# Altium PCB APB.PcbDoc (part 1 of 3)
Units mm, origin at the board's own origin, x right, y up, seen from the top; angles counter-clockwise.
Board outline 70 x 120 mm, 4 copper layers (Top Layer, Internal Plane 1, Internal Plane 2, Bottom Layer); 191 components, 179 nets, 920 pads, 302 vias.
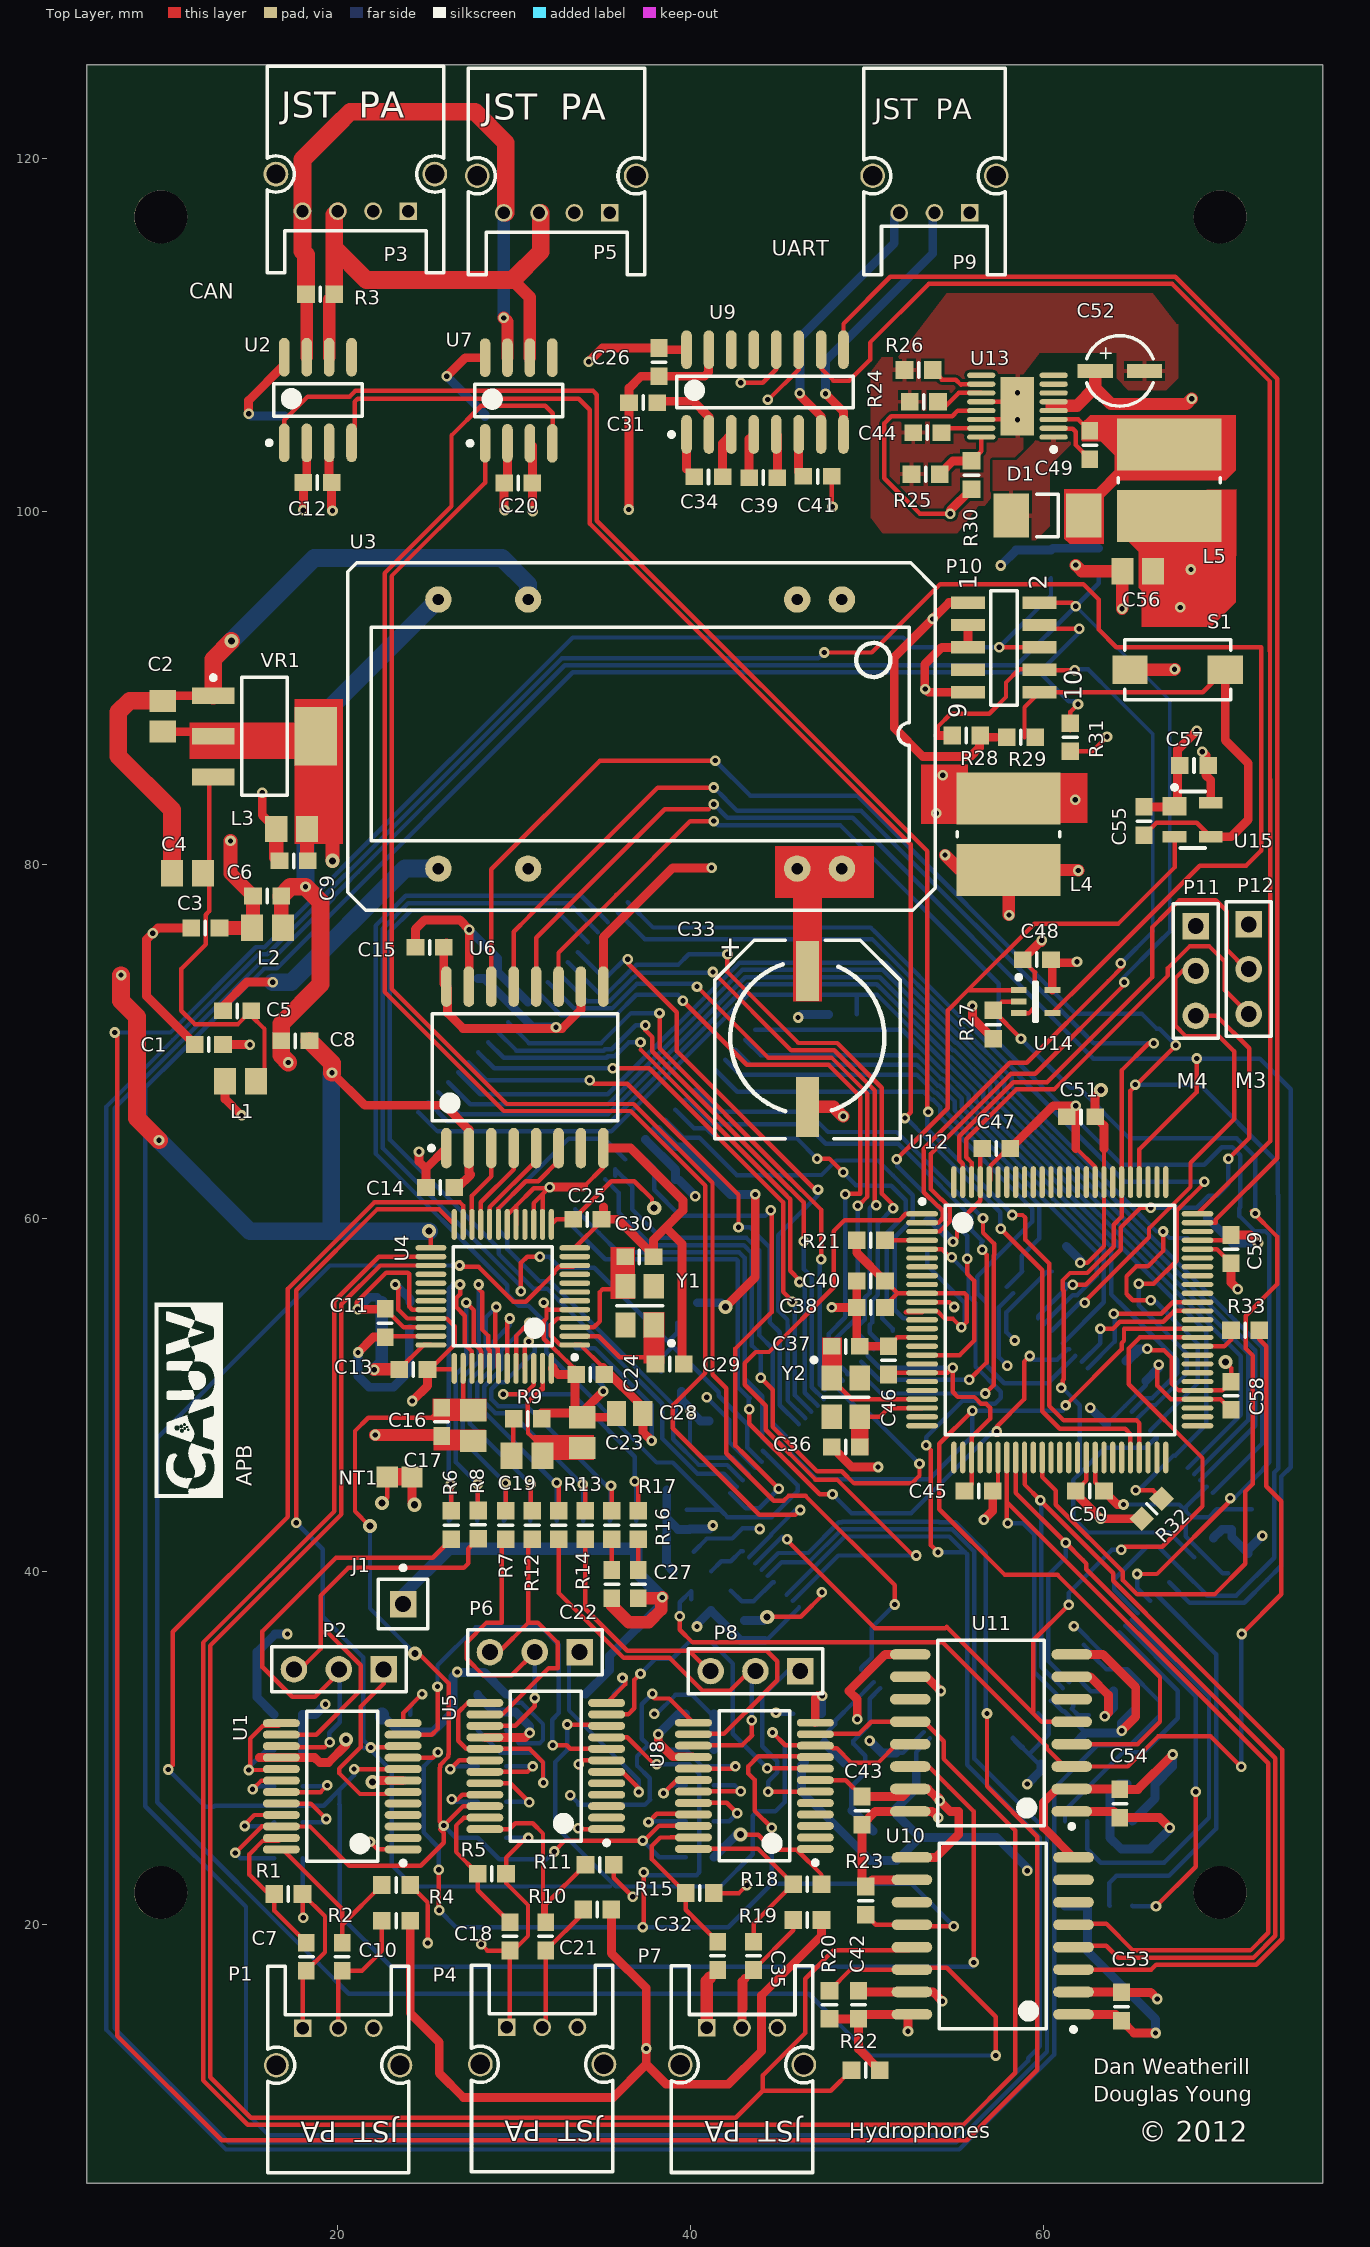
[diagram p0: Top Layer view]
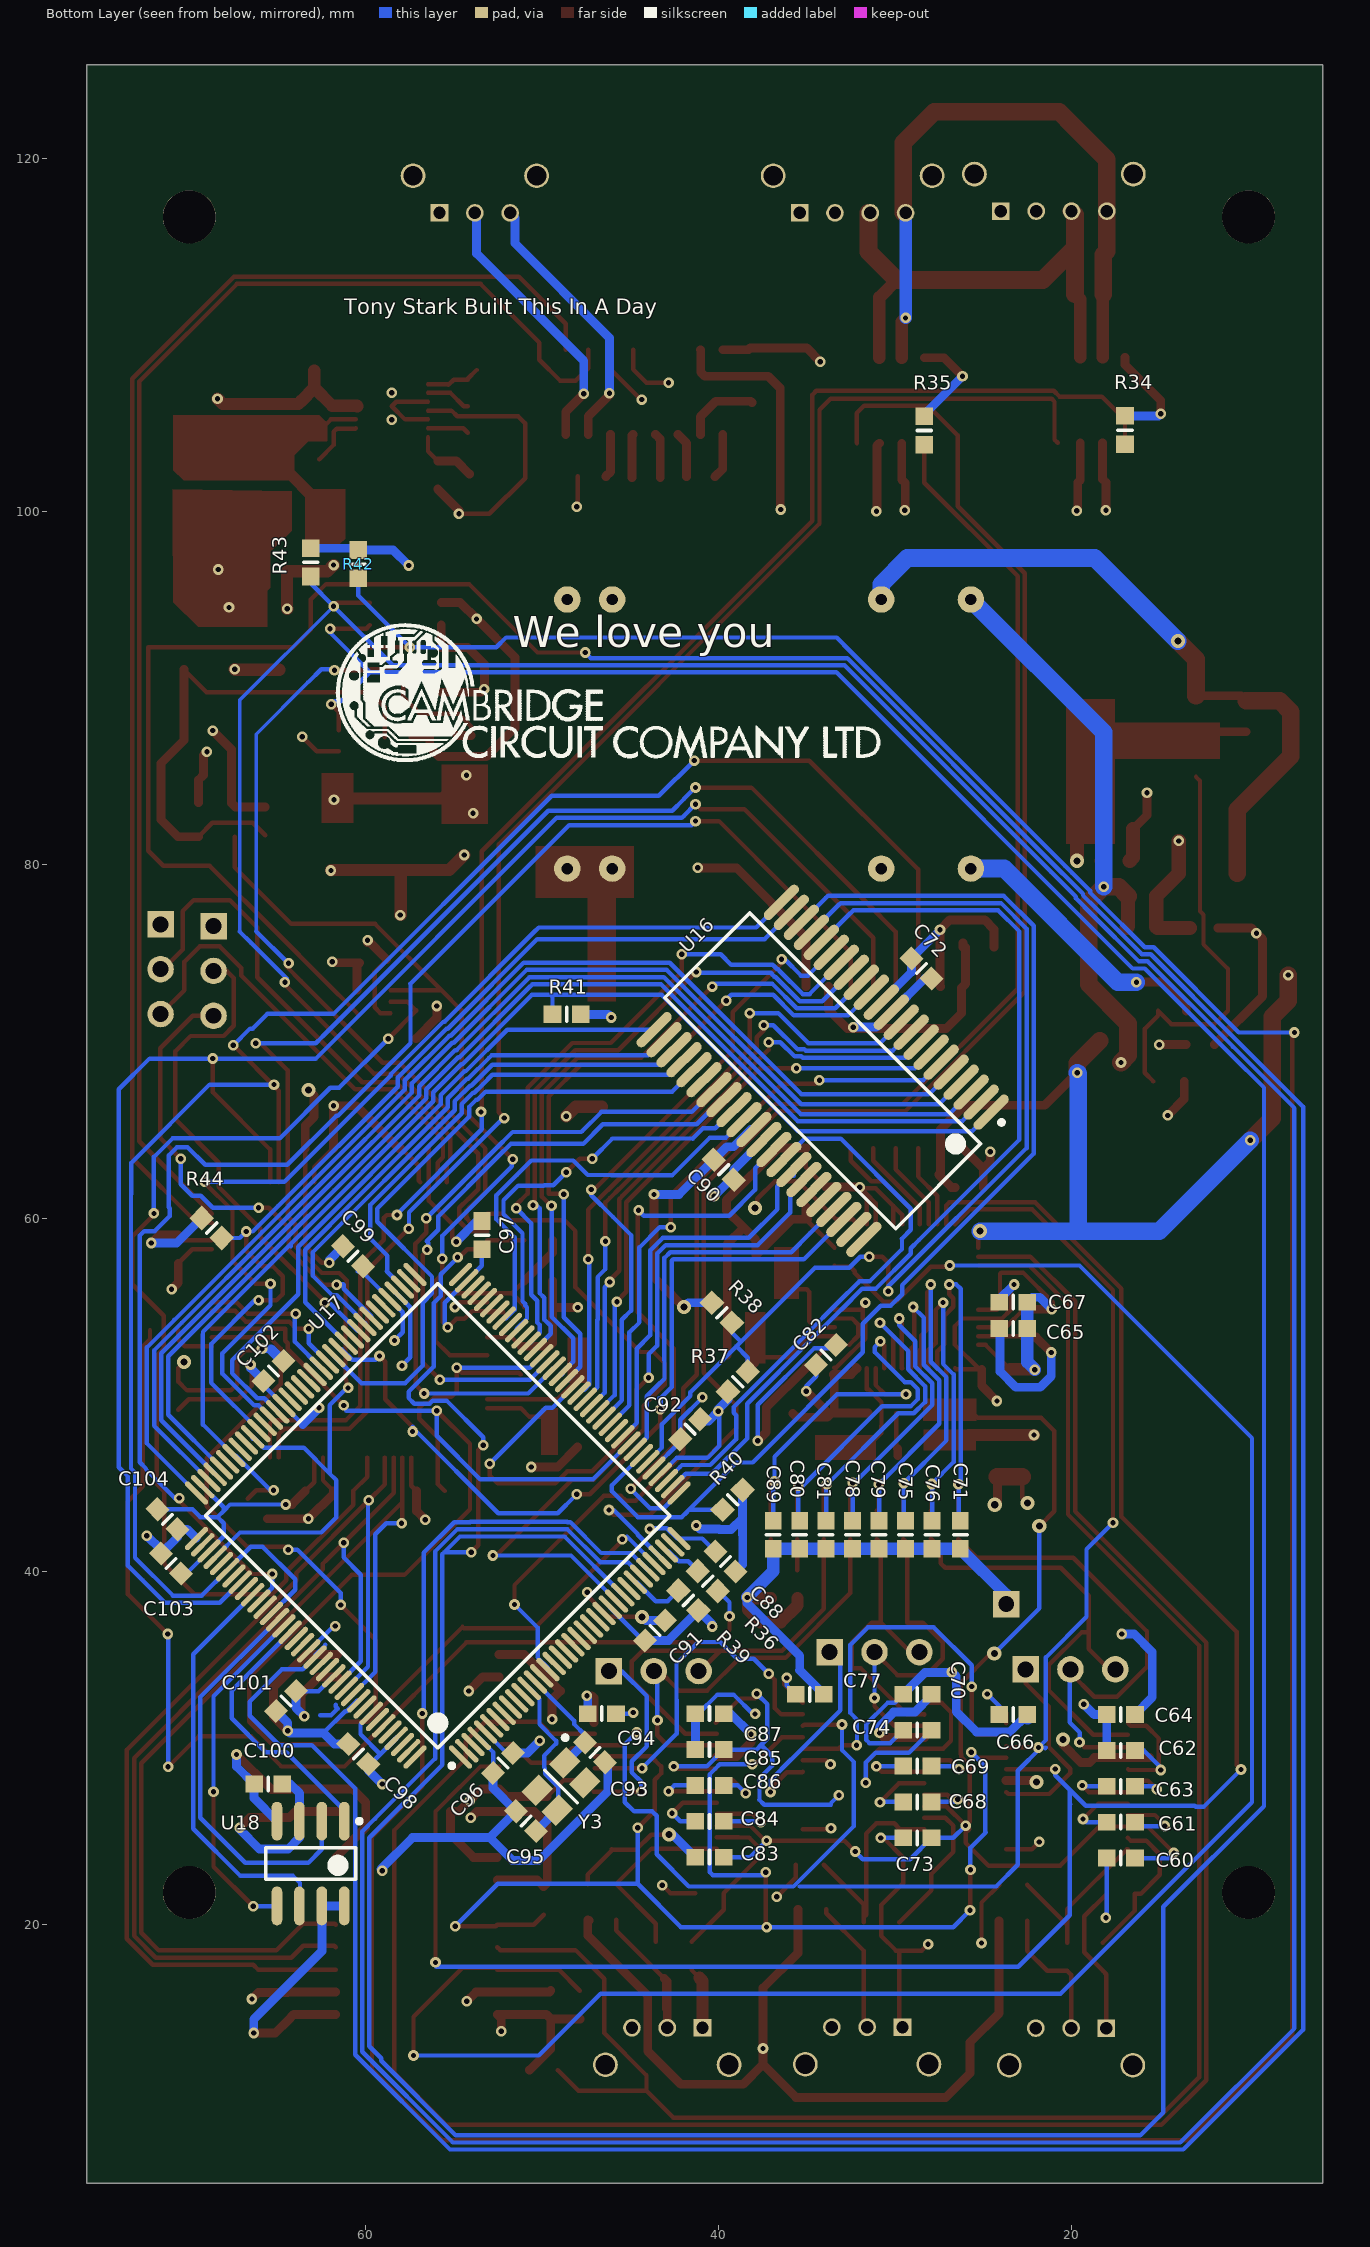
[diagram p1: Bottom Layer view, seen from below]
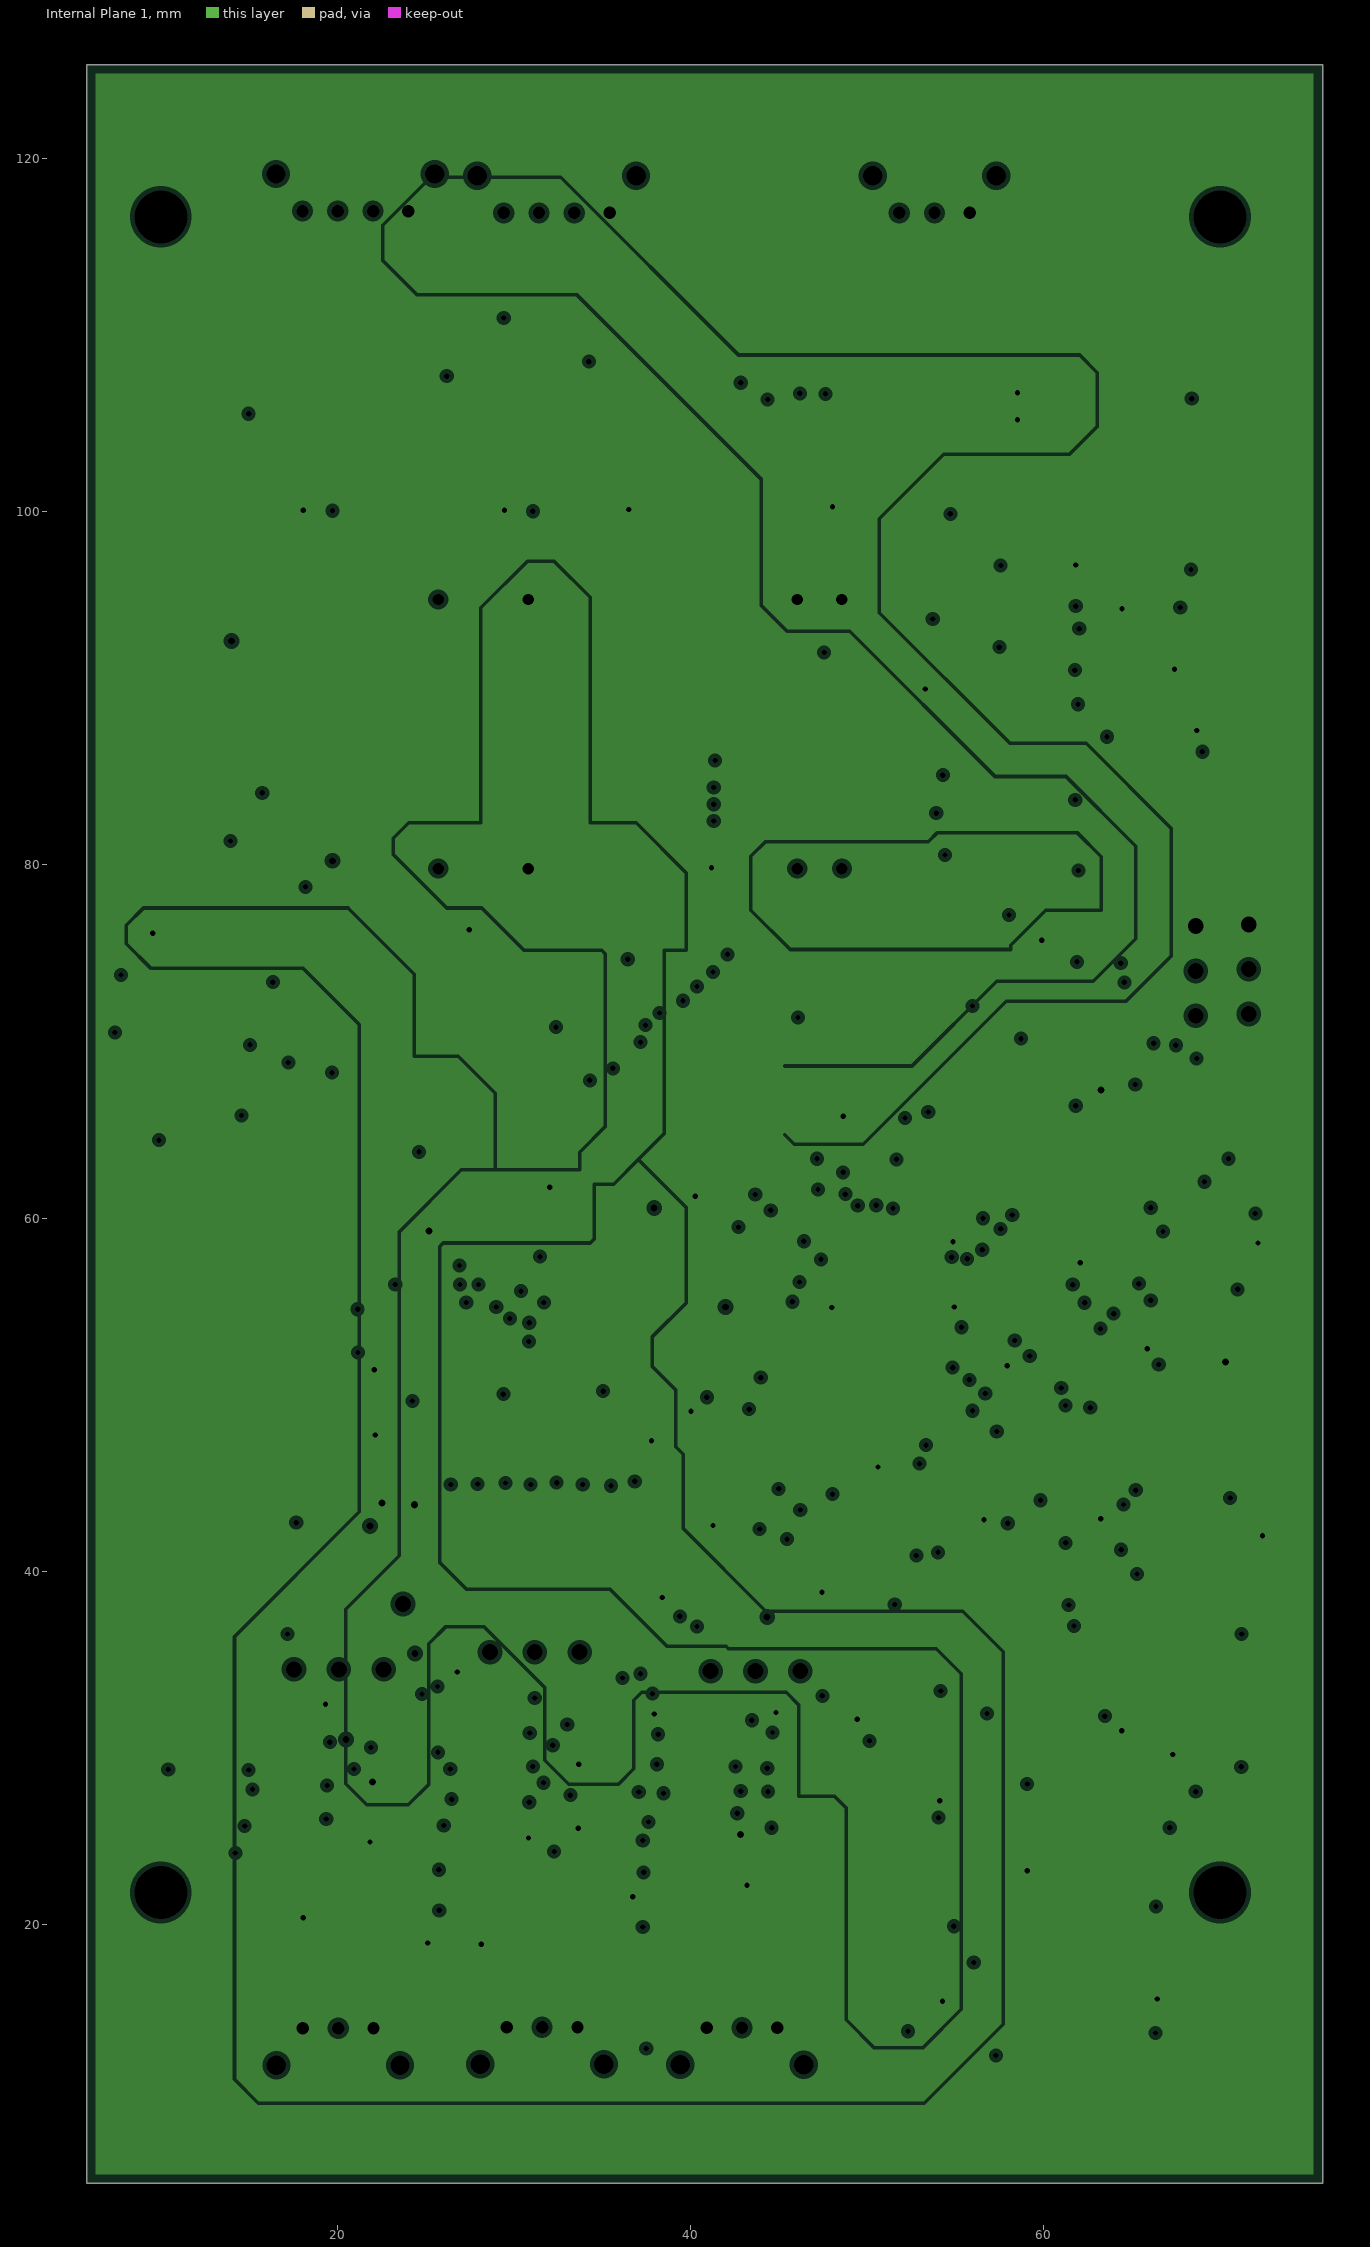
[diagram p2: Internal Plane 1, clearances drawn from the general rule]
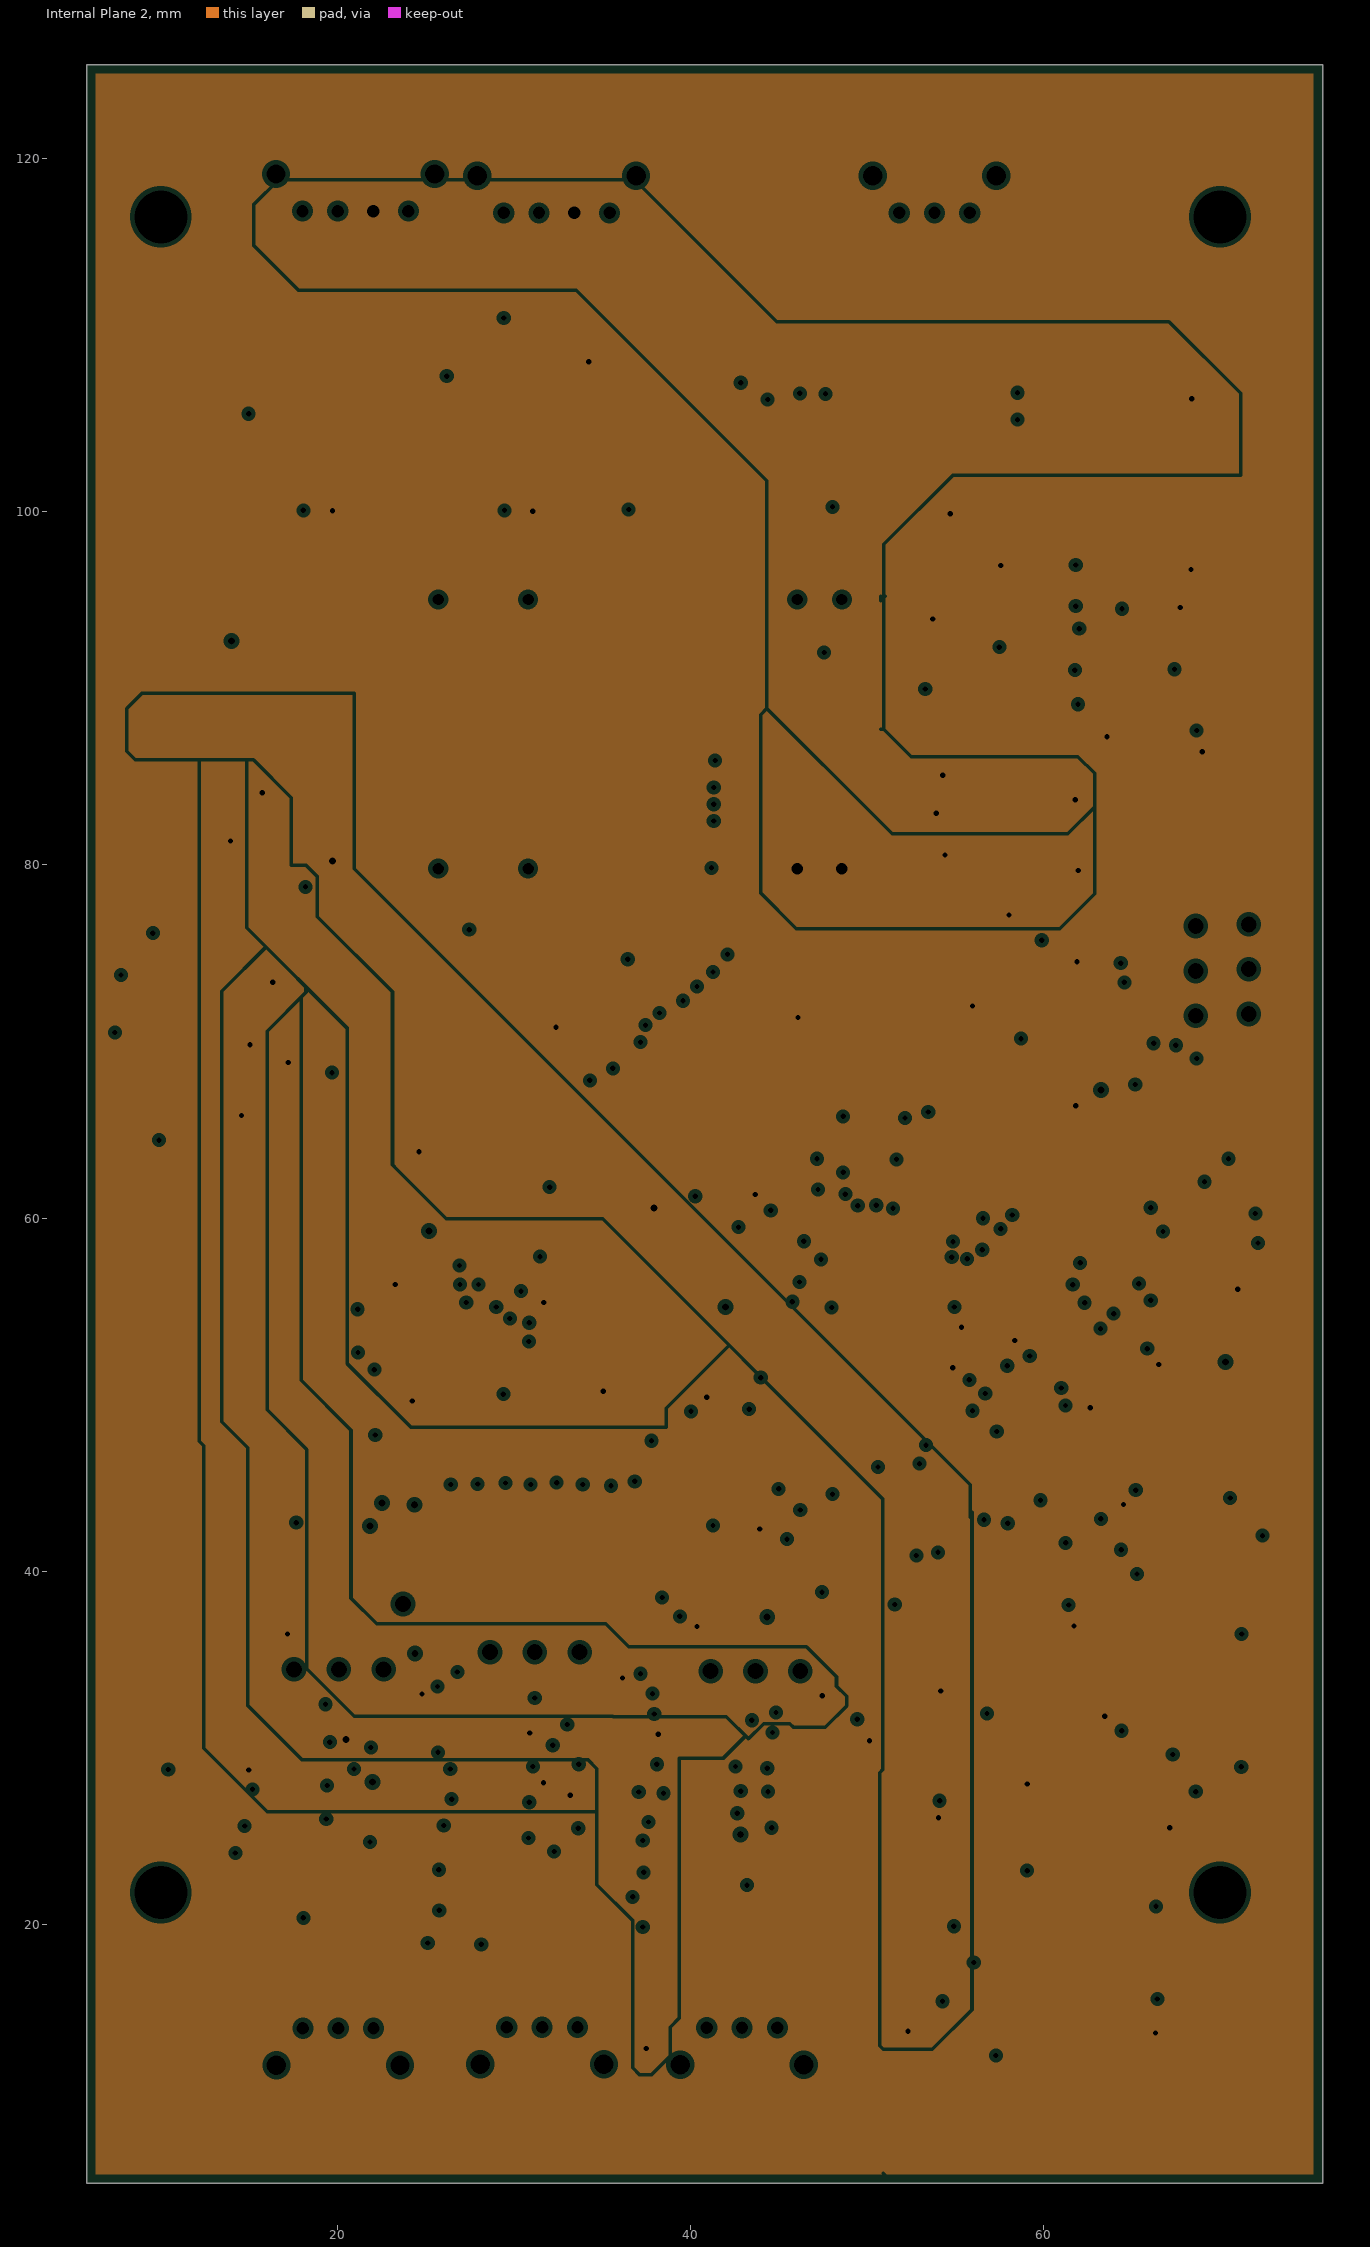
[diagram p3: Internal Plane 2, clearances drawn from the general rule]

## Layer stack, top to bottom
Top Layer: signal copper 0.0356
Dielectric: core 0.32, FR-4, Dk 4.8
Internal Plane 1: plane copper 0.0356, net GND
Dielectric: prepreg 0.32, FR-4, Dk 4.8
Internal Plane 2: plane copper 0.0356, net +3.3
Dielectric: core 0.32, FR-4, Dk 4.8
Bottom Layer: signal copper 0.0356

## Board outline
5.8,125.325 75.8,125.325 75.8,5.325 5.8,5.325

## Design rules (kind name [scope] priority, off if disabled: settings)
Clearance [All] p1: gap=0.15
ComponentClearance [All] p1: gap=0.25 collisioncheckmode=3 verticalgap=0.25 showdistances=FALSE
DiffPairsRouting [All] p1: maxlimit=0.3 minlimit=0.2 mostfreqgap=0.26 maxuncoupledlength=12.7
HoleSize [All] p1: absolutevalues=TRUE maxlimit=10 minlimit=0.2 maxpercent=80.000 minpercent=20.000
HoleToHoleClearance [All] p1: gap=0.25 allowstackedmicrovias=TRUE
MinimumAnnularRing [All] p1: minimumring=0.15
MinimumSolderMaskSliver [All] p1: minsoldermaskwidth=0.125
PlaneClearance [All] p1: clearance=0.25
PlaneConnect [All] p1: planeconnectstyle=Relief reliefexpansion=0.5 reliefentries=4 reliefconductorwidth=0.25 reliefairgap=0.25
PolygonConnect [All] p1: connectstyle=Relief reliefconductorwidth=0.25 reliefentries=4 polygonreliefangle="90 Angle"
RoomDefinition "U_RS232 Transciever (MAX232)" [InComponentClass('U_RS232 Transciever (MAX232)')] p1: confinementstyle=ConfineIn formatcopy=TRUE lockcomponents=FALSE outline 35.494,101.11 50.844,101.11 50.844,110.858 35.494,110.858
RoomDefinition "U_Reset Supervisor" [InComponentClass('U_Reset Supervisor')] p2: confinementstyle=ConfineIn formatcopy=TRUE lockcomponents=FALSE outline 64.669,80.435 70.694,80.435 70.694,86.66 64.669,86.66
RoomDefinition "U_CAN Termination Connector (JST)" [InComponentClass('U_CAN Termination Connector (JST)')] p3: confinementstyle=ConfineIn formatcopy=TRUE lockcomponents=FALSE outline 15.318,110.959 38.844,110.959 38.844,128.209 15.318,128.209
RoomDefinition U_32 [InComponentClass('U_32')] p4: confinementstyle=ConfineIn formatcopy=TRUE lockcomponents=FALSE outline 26.916,100.232 33.491,100.232 33.491,110.831 26.916,110.831
RoomDefinition U_31 [InComponentClass('U_31')] p5: confinementstyle=ConfineIn formatcopy=TRUE lockcomponents=FALSE outline 15.543,99.26 22.119,99.26 22.119,110.858 15.543,110.858
RoomDefinition Preamp3 [InComponentClass('Preamp3')] p6: confinementstyle=ConfineIn formatcopy=TRUE lockcomponents=FALSE outline 38.319,3.535 48.669,3.535 48.669,35.96 38.319,35.96
RoomDefinition Preamp2 [InComponentClass('Preamp2')] p7: confinementstyle=ConfineIn formatcopy=TRUE lockcomponents=FALSE outline 26.744,3.56 36.869,3.56 36.869,37.035 26.744,37.035
RoomDefinition Preamp1 [InComponentClass('Preamp1')] p8: confinementstyle=ConfineIn formatcopy=TRUE lockcomponents=FALSE outline 15.219,3.485 25.344,3.485 25.344,36.06 15.219,36.06
RoomDefinition Power [InComponentClass('Power')] p9: confinementstyle=ConfineIn formatcopy=TRUE lockcomponents=FALSE outline 8.819,86.346 8.819,90.496 20.243,97.462 54.217,97.462 61.519,85.81 61.519,77.66 52.369,64.135 41.019,64.135 12.43,66.435 10.869,68.81 9.43,78.235
RoomDefinition ADC [InComponentClass('ADC')] p10: confinementstyle=ConfineIn formatcopy=TRUE lockcomponents=FALSE outline 41.719,66.035 20.419,66.035 20.419,39.035 41.719,39.035
RoomDefinition U_3 [InComponentClass('U_3')] p11: confinementstyle=ConfineIn formatcopy=TRUE lockcomponents=FALSE outline 51.069,106.985 51.069,109.084 61.419,110.534 67.244,110.534 70.619,105.86 70.619,97.71 67.408,95.335 63.258,95.335 56.619,97.485 51.469,101.085
RoutingVias [All] p1: holewidth=0.3 width=0.6 viastyle="Through Hole" minholewidth=0.3 minwidth=0.6 maxholewidth=0.4 maxwidth=0.8
SilkToSilkClearance [All] p1: silktosilkclearance=0.25
SilkscreenOverComponentPads [All] p1: minsilkscreentomaskgap=0.125
SolderMaskExpansion ViaCovering [(IsVia)] p1 off: expansion=-10
SolderMaskExpansion [All] p2: expansion=0.125
Width Power_1 [InNetClass('Power')] p1: maxlimit=10 minlimit=0.25 preferedwidth=0.5
Width General [All] p2: maxlimit=10 minlimit=0.2 preferedwidth=0.25
19 further rules are at their usual default settings.

## Classes and differential pairs
component class "U_ARM JTAG Header - vertical": P10 R28 R29 R31 R42 R43
component class ADC: C11 C12 C13 C16 C17 C19 C23 C24 C25 C28 C29 C30 C65 C67 C71 C75 C76 C78 C79 C80 C81 C82 C89 R6 R7 R8 R9 R12 R13 R14 R16 R17 U4 Y1
component class apb: P9 P11 P12
component class audio: C22 C27 J1 NT1 R20 R22 R23
component class Debug: C36 C37 C38 C40 C45 C46 C47 C50 C51 C58 C59 R21 Y2
component class Isolation: C14 C15 C41 C42 C43 C53 C54 U6 U8 U10 U11
component class M4_DSP: R36 U17
component class MCU: R33 U12
component class Power: C1 C2 C3 C4 C5 C6 C8 C9 C33 L1 L2 L3 L4 U3 VR1
component class Preamp1: C7 C10 C60 C61 C62 C63 C64 C66 C?1 C?2 C?3 C?4 C?_Preamp1 P1 P2 R1 R2 R4 U1
component class Preamp2: C18 C21 C68 C69 C70 C73 C74 C77 C?_Preamp2 P4 P6 R5 R10 R11 U5
component class Preamp3: C32 C35 C83 C84 C85 C86 C87 C94 C103 C104 C105 C109 C110 C?_Preamp3 P7 P8 R15 R18 R19 R60 R61 U8
component class SRAM: C72 C90 C100 C118 C121 C122 R32 R37 R38 R40 R41 R44 R64 R65 R66 R67 R68 R69 U16 U18 U19 U20
component class U_31: C12 R34 U2
component class U_32: C20 R35 U7
component class "U_CAN Termination Connector (JST)": P3 P5 R3
component class U_3: C44 C49 C52 C56 D1 L5 R24 R25 R26 R30 U13
component class "U_Reset Supervisor": C55 C57 C111 C112 U15
component class "U_RS232 Transciever (MAX232)": C26 C31 C34 C39 C41 C113 C114 C115 C116 C117 U9
net class A[0..15]: A0 A1 A2 A3 A4 A5 A6 A7 A8 A9 A10 A11 A12 A13 A14 A15
net class I/O[1..16]: I/O1 I/O2 I/O3 I/O4 I/O5 I/O6 I/O7 I/O8 I/O9 I/O10 I/O11 I/O12 I/O13 I/O14 I/O15 I/O16
net class IN[1..5]: IN1 IN2 IN3 IN4 IN5
net class IN_ISOL[1..5]: IN_ISOL1 IN_ISOL2 IN_ISOL3 IN_ISOL4 IN_ISOL5
net class OUT[1..5]: OUT1 OUT2 OUT3 OUT4 OUT5
net class OUT_ISOL[1..5]: OUT_ISOL1 OUT_ISOL2 OUT_ISOL3 OUT_ISOL4 OUT_ISOL5
net class Power: +3.3 GND NetC29_1
channel class "3.3V CAN Transciever": U_31 U_32
channel class preamp: Preamp1 Preamp2 Preamp3
component class M4_Debug: C88 C91 C92 C93 C95 C96 C97 C98 C99 C101 C102 C103 C104 R39 R42 Y3
